# Allegro board SG2042_EVB_V2_0.brd (continued)
## Routing (per net, layer and track width the routed paths; a pad name or vN(x,y) marks a point on that pad's centre or on a via; arc(x,y) is an arc through that point) (continued)
SLOT5_PCIE_TX0_N: length 36.4
  TOP w0.114: C5871.1 v1(151,43.13) ; v1(148.39,69.57) 148.29,69.67 arc(148.22,69.76) 148.2,69.87 148.2,70.27 arc(148.23,70.4) 148.3,70.51 148.42,70.62 arc(148.54,70.81) 148.58,71.03 148.58,71.35 arc(148.62,71.52) 148.72,71.67 U3235.L26
  ART14 w0.124: v1(148.39,69.57) 148.29,69.47 arc(148.23,69.38) 148.21,69.28 148.21,62.05 arc(148.93,58.44) 150.98,55.37 152.71,53.64 arc(153.59,52.32) 153.89,50.78 153.89,50.46 arc(154.14,49.2) 154.86,48.14 154.94,48.05 arc(155.71,46.9) 155.98,45.55 155.98,44.17 arc(155.73,43.56) 155.12,43.31 151.3,43.31 arc(151.19,43.29) 151.1,43.23 v1(151,43.13)
SLOT5_PCIE_TX0_P: length 36.4
  TOP w0.114: U3235.M26 148.21,71.67 arc(148.31,71.52) 148.34,71.35 148.34,71.03 arc(148.32,70.9) 148.25,70.79 148.13,70.68 arc(148,70.49) 147.96,70.27 147.96,69.87 arc(147.94,69.76) 147.88,69.67 v1(147.78,69.57) ; C5870.1 v1(151,43.74)
  ART14 w0.124: v1(151,43.74) 151.1,43.64 arc(151.19,43.58) 151.3,43.56 153.53,43.56 arc(153.65,43.61) 153.71,43.74 arc(153.76,43.86) 153.88,43.91 154.06,43.91 arc(154.19,43.86) 154.24,43.74 arc(154.29,43.61) 154.42,43.56 155.12,43.56 arc(155.55,43.74) 155.73,44.17 155.73,45.55 arc(155.48,46.81) 154.76,47.87 154.68,47.96 arc(153.91,49.11) 153.64,50.46 153.64,50.78 arc(153.35,52.23) 152.53,53.46 150.8,55.19 arc(148.69,58.34) 147.96,62.05 147.96,69.28 arc(147.94,69.38) 147.88,69.47 v1(147.78,69.57)
SLOT5_PCIE_TX1_N: length 41.9
  TOP w0.114: C5875.1 v1(151,40.13) ; U3235.J25 v1(150.06,72.21)
  ART14 w0.124: v1(151,40.13) 151.1,40.23 arc(151.19,40.29) 151.3,40.31 155.14,40.31 arc(156.51,40.88) 157.08,42.25 157.08,46 arc(156.81,47.36) 156.04,48.51 155.96,48.59 arc(155.25,49.66) 155,50.92 155,51.23 arc(154.69,52.78) 153.81,54.09 152.52,55.39 arc(150.79,57.97) 150.19,61.01 150.19,68.1 arc(150.24,68.22) 150.36,68.27 arc(150.49,68.32) 150.54,68.45 150.54,68.63 arc(150.49,68.76) 150.36,68.81 arc(150.24,68.86) 150.19,68.98 150.19,69.5 arc(150.08,70.02) 149.79,70.46 149.71,70.54 arc(149.47,70.9) 149.39,71.32 149.39,72.32 arc(149.44,72.44) 149.55,72.49 149.61,72.49 arc(149.77,72.45) 149.92,72.36 v1(150.06,72.21)
SLOT5_PCIE_TX1_P: length 41.9
  TOP w0.114: U3235.K25 v1(150.06,73.01) ; C5874.1 v1(151,40.74)
  ART14 w0.124: v1(150.06,73.01) 149.92,72.87 arc(149.77,72.77) 149.61,72.74 149.55,72.74 arc(149.26,72.62) 149.14,72.32 149.14,71.32 arc(149.24,70.8) 149.54,70.36 149.61,70.28 arc(149.85,69.92) 149.94,69.5 149.94,61.01 arc(150.56,57.87) 152.34,55.21 153.63,53.92 arc(154.46,52.68) 154.74,51.23 154.74,50.92 arc(155.01,49.56) 155.78,48.41 155.87,48.33 arc(156.58,47.26) 156.83,46 156.83,42.25 arc(156.34,41.06) 155.14,40.56 154.42,40.56 arc(154.29,40.61) 154.24,40.74 arc(154.19,40.87) 154.06,40.92 153.88,40.92 arc(153.76,40.87) 153.71,40.74 arc(153.65,40.61) 153.53,40.56 151.3,40.56 arc(151.19,40.58) 151.1,40.64 v1(151,40.74)
SLOT5_PCIE_TX2_N: length 43
  TOP w0.114: v1(152.35,69.57) 152.25,69.67 arc(152.19,69.76) 152.16,69.87 152.16,70.27 arc(152.12,70.49) 152,70.68 151.88,70.79 arc(151.81,70.9) 151.78,71.03 151.78,71.35 arc(151.82,71.52) 151.92,71.67 U3235.G26 ; C5879.1 v1(151,37.13)
  ART14 w0.124: v1(152.35,69.57) 152.25,69.47 arc(152.19,69.38) 152.17,69.28 152.17,59.97 arc(152.66,57.5) 154.06,55.4 154.91,54.55 arc(155.79,53.24) 156.1,51.69 156.1,51.38 arc(156.35,50.12) 157.06,49.05 157.15,48.96 arc(157.91,47.82) 158.18,46.46 158.18,40.38 arc(157.29,38.21) 155.12,37.31 151.3,37.31 arc(151.19,37.29) 151.1,37.23 v1(151,37.13)
SLOT5_PCIE_TX2_P: length 43
  TOP w0.114: C5878.1 v1(151,37.74) ; U3235.H26 151.41,71.67 arc(151.51,71.52) 151.54,71.35 151.54,71.03 arc(151.59,70.81) 151.71,70.62 151.83,70.51 arc(151.9,70.4) 151.92,70.27 151.92,69.87 arc(151.9,69.76) 151.84,69.67 v1(151.74,69.57)
  ART14 w0.124: v1(151.74,69.57) 151.84,69.47 arc(151.9,69.38) 151.92,69.28 151.92,59.97 arc(152.43,57.4) 153.88,55.23 154.74,54.37 arc(155.56,53.14) 155.85,51.69 155.85,51.38 arc(156.12,50.02) 156.88,48.87 156.97,48.79 arc(157.68,47.72) 157.93,46.46 157.93,40.38 arc(157.11,38.39) 155.12,37.57 154.42,37.57 arc(154.29,37.62) 154.24,37.74 arc(154.19,37.87) 154.06,37.92 153.88,37.92 arc(153.76,37.87) 153.71,37.74 arc(153.65,37.62) 153.53,37.57 151.3,37.57 arc(151.19,37.59) 151.1,37.65 v1(151,37.74)
SLOT5_PCIE_TX3_N: length 48.9
  TOP w0.114: U3235.E25 v1(153.26,72.21) ; C5883.1 v1(151,34.14)
  ART14 w0.124: v1(151,34.14) 151.1,34.24 arc(151.19,34.3) 151.3,34.32 155.19,34.32 arc(158.09,35.52) 159.29,38.41 159.29,46.92 arc(159.02,48.27) 158.25,49.42 158.16,49.51 arc(157.45,50.57) 157.2,51.83 157.2,52.15 arc(156.89,53.7) 156.02,55.01 155.32,55.7 arc(154.04,57.62) 153.59,59.88 153.59,68.25 arc(153.65,68.37) 153.77,68.42 arc(153.89,68.48) 153.95,68.6 153.95,68.78 arc(153.89,68.91) 153.77,68.96 arc(153.65,69.01) 153.59,69.14 153.59,69.65 arc(153.48,70.23) 153.15,70.72 153,70.86 arc(152.7,71.33) 152.59,71.87 152.59,72.35 arc(152.63,72.45) 152.73,72.49 152.81,72.49 arc(152.97,72.45) 153.12,72.36 v1(153.26,72.21)
SLOT5_PCIE_TX3_P: length 48.9
  TOP w0.114: C5882.1 v1(151,34.75) ; U3235.F25 v1(153.26,73.01)
  ART14 w0.124: v1(151,34.75) 151.1,34.65 arc(151.19,34.59) 151.3,34.57 153.53,34.57 arc(153.65,34.62) 153.71,34.75 arc(153.76,34.87) 153.88,34.92 154.06,34.92 arc(154.19,34.87) 154.24,34.75 arc(154.29,34.62) 154.42,34.57 155.19,34.57 arc(157.91,35.69) 159.03,38.41 159.03,46.92 arc(158.78,48.18) 158.07,49.24 157.99,49.33 arc(157.22,50.48) 156.95,51.83 156.95,52.15 arc(156.66,53.6) 155.84,54.83 155.15,55.52 arc(153.81,57.52) 153.34,59.88 153.34,69.65 arc(153.25,70.13) 152.97,70.54 152.83,70.69 arc(152.46,71.23) 152.34,71.87 152.34,72.35 arc(152.45,72.63) 152.73,72.74 152.81,72.74 arc(152.97,72.77) 153.12,72.87 v1(153.26,73.01)
SLOT5_SCL: length 61.5
  TOP w0.102: v1(165.71,41.45) 164.85,40.59 R12573.1 ; R12708.2 v1(115.62,61.44)
  BOTTOM w0.102: R12708.2 v1(115.62,61.44) 115.62,60.87 124.49,51.99 153.7,51.99 163.86,41.83 165.33,41.83 v1(165.71,41.45)
SLOT5_SDA: length 60.5
  TOP w0.102: R12709.2 v1(114.76,61.44) ; R12572.1 v1(165.1,41.45)
  BOTTOM w0.102: v1(165.1,41.45) 164.92,41.63 163.77,41.63 153.61,51.79 124.41,51.79 v1(114.76,61.44) R12709.2
SLOT6_PCIE_CLK3_N: length 3.5
  TOP w0.081: U3273.B13 186.68,92.44 186.68,91.56 185.86,90.74 185.86,90.33 R12946.2
SLOT6_PCIE_CLK3_P: length 2.6
  TOP w0.081: R12945.2 186.1,90.33 186.1,90.64 186.92,91.46 186.92,91.87 U3273.A13
SLOT6_PCIE_RX8_N: length 10.1
  TOP w0.114: U3235.D17 154.06,79.41 ; 162.64,78.97 C6204.2
  ART12 w0.107: 162.64,78.97 162.53,78.87 arc(162.44,78.8) 162.33,78.78 158.56,78.78 arc(158.23,78.85) 157.96,79.03 157.87,79.12 arc(157.54,79.34) 157.16,79.41 156.82,79.41 156.76,79.48 156.7,79.54 156.39,79.54 156.32,79.48 156.26,79.41 155.95,79.41 155.89,79.48 155.82,79.54 155.51,79.54 155.45,79.48 155.39,79.41 154.06,79.41
SLOT6_PCIE_RX8_P: length 10.1
  TOP w0.114: 162.64,78.36 C6202.2 ; U3235.D18 154.06,78.61
  ART12 w0.107: 154.06,78.61 154.49,79.04 arc(154.64,79.14) 154.82,79.18 157.16,79.18 arc(157.45,79.12) 157.7,78.96 157.79,78.86 arc(158.14,78.63) 158.56,78.55 162.33,78.55 arc(162.44,78.52) 162.53,78.46 162.64,78.36
SLOT6_PCIE_RX9_N: length 9.5
  TOP w0.114: 162.64,82.14 C6205.2 ; U3235.C15 154.86,80.21
  ART12 w0.107: 162.64,82.14 162.53,82.04 arc(162.44,81.98) 162.33,81.96 158.77,81.96 arc(158.23,81.85) 157.77,81.54 157.71,81.47 arc(157.32,81.22) 156.87,81.13 156.01,81.13 arc(155.8,81.09) 155.61,80.96 154.86,80.21
SLOT6_PCIE_RX9_P: length 9.5
  TOP w0.114: 162.64,81.53 C6203.2 ; U3235.C16 155.66,80.21
  ART12 w0.107: 162.64,81.53 162.53,81.64 arc(162.44,81.7) 162.33,81.72 160.27,81.72 arc(160.1,81.65) 160.03,81.48 160.03,81.44 arc(159.79,81.2) 159.54,81.44 159.54,81.48 arc(159.47,81.65) 159.3,81.72 158.77,81.72 arc(158.32,81.63) 157.94,81.38 157.87,81.31 arc(157.41,81) 156.87,80.9 156.01,80.9 arc(155.89,80.87) 155.78,80.8 155.76,80.78 arc(155.69,80.67) 155.66,80.54 155.66,80.21
SLOT6_PCIE_TX8_N: length 39.2
  TOP w0.114: 189.08,88.06 188.96,88.18 arc(188.88,88.3) 188.85,88.43 188.85,88.59 arc(188.87,88.65) 188.9,88.7 188.97,88.77 arc(189.05,88.89) 189.08,89.04 189.08,89.37 arc(189.1,89.43) 189.13,89.48 C6253.2 ; U3235.B17 155.66,78.61
  ART05 w0.107: 189.08,88.06 188.98,87.96 arc(188.88,87.9) 188.77,87.87 188.74,87.87 arc(188.6,87.85) 188.48,87.77 187.68,86.97 arc(186.84,86.41) 185.84,86.21 182.53,86.21 arc(178.44,85.4) 174.98,83.09 174.98,83.08 arc(171.97,81.07) 168.42,80.37 162.29,80.37 arc(161.44,80.2) 160.71,79.71 160.64,79.64 arc(159.98,79.2) 159.21,79.04 158.18,79.04 arc(157.96,79.09) 157.77,79.21 157.69,79.29 arc(157.43,79.47) 157.12,79.53 156.08,79.53 arc(155.79,79.41) 155.66,79.11 155.66,78.61
SLOT6_PCIE_TX8_P: length 39.9
  TOP w0.114: C6252.2 188.75,89.5 arc(188.82,89.4) 188.84,89.28 188.84,89.04 arc(188.83,88.99) 188.8,88.94 188.73,88.87 arc(188.64,88.74) 188.61,88.59 188.61,88.09 arc(188.65,87.93) 188.74,87.79 189.08,87.45 ; U3235.B18 156.46,78.61
  ART05 w0.107: 189.08,87.45 188.95,87.57 arc(188.88,87.62) 188.8,87.64 188.74,87.64 arc(188.69,87.63) 188.64,87.6 187.85,86.81 arc(186.93,86.19) 185.84,85.98 182.53,85.98 arc(178.53,85.18) 175.15,82.92 175.14,82.92 arc(172.06,80.86) 168.42,80.13 162.29,80.13 arc(161.53,79.98) 160.88,79.54 160.8,79.47 arc(160.07,78.98) 159.21,78.81 158.18,78.81 arc(157.87,78.87) 157.61,79.05 157.53,79.13 arc(157.34,79.25) 157.12,79.3 156.08,79.3 arc(155.95,79.24) 155.9,79.11 155.9,79.03 arc(155.92,78.93) 155.97,78.85 156.12,78.7 arc(156.22,78.64) 156.34,78.61 156.46,78.61
SLOT6_PCIE_TX9_N: length 40.8
  TOP w0.114: U3235.A15 157.14,80.33 158.46,80.33 158.65,80.52 ; C6255.2 192.33,89.48 arc(192.3,89.43) 192.28,89.37 192.28,89.04 arc(192.25,88.89) 192.17,88.77 192.1,88.7 arc(192.07,88.65) 192.05,88.59 192.05,88.43 arc(192.08,88.3) 192.16,88.18 192.28,88.06
  ART05 w0.107: 158.65,80.52 158.75,80.42 arc(158.85,80.35) 158.96,80.33 159.09,80.33 arc(159.31,80.37) 159.49,80.49 162.19,83.2 arc(162.58,83.45) 163.03,83.55 173.15,83.55 arc(173.91,83.7) 174.55,84.12 174.55,84.13 arc(178.01,86.44) 182.09,87.25 185.84,87.25 arc(186.44,87.37) 186.95,87.71 187.85,88.62 arc(188.46,89.02) 189.17,89.16 189.19,89.16 arc(189.9,89.02) 190.51,88.62 190.96,88.16 arc(191.28,87.95) 191.65,87.87 191.97,87.87 arc(192.08,87.9) 192.18,87.96 192.28,88.06
SLOT6_PCIE_TX9_P: length 41.5
  TOP w0.114: U3235.A16 157.14,80.09 158.46,80.09 158.65,79.91 ; C6254.2 191.95,89.5 arc(192.02,89.4) 192.04,89.28 192.04,89.04 arc(192.03,88.99) 192,88.94 191.93,88.87 arc(191.84,88.74) 191.81,88.59 191.81,88.09 arc(191.84,87.93) 191.94,87.79 192.28,87.45
  ART05 w0.107: 158.65,79.91 158.75,80.01 arc(158.85,80.07) 158.96,80.1 159.09,80.1 arc(159.4,80.16) 159.65,80.33 162.36,83.03 arc(162.67,83.24) 163.03,83.31 173.15,83.31 arc(174,83.48) 174.71,83.96 174.72,83.96 arc(178.1,86.22) 182.09,87.02 185.84,87.02 arc(186.53,87.15) 187.11,87.55 188.02,88.45 arc(188.55,88.8) 189.17,88.93 189.19,88.93 arc(189.81,88.8) 190.34,88.45 190.79,88 arc(191.19,87.73) 191.65,87.64 191.97,87.64 arc(192.08,87.62) 192.18,87.55 192.28,87.45
SLOT6_SCL: length 1.2
  TOP w0.102: R12710.2 v1(119.23,64.19)
  BOTTOM w0.102: R12710.2 v1(119.23,64.19)
SLOT6_SDA: length 1.2
  TOP w0.102: R12711.2 v1(119.23,63.32)
  BOTTOM w0.102: R12711.2 v1(119.23,63.32)
SLOT7_3V3: length 9
  TOP w0.254: 54.69,46.79 C5792.1 ; C5792.1 54.25,47.22 ; C5792.1 54.69,47.65
  TOP w0.381: J2036.B8 52.6,34.55 C5807.1 C5794.1 v1(52.6,32.74)
  TOP w0.686: J2036.A10 54.6,46.41 ; J2036.A9 53.6,46.41
  vias: v1(53.37,46.86) v1(53.92,46.86)
SLOT7_12V: length 10.8
  TOP w0.254: 47.7,46.79 C5791.1 ; C5791.1 47.7,47.65 ; C5791.1 47.27,47.22 ; 47.27,34.54 C5790.1 ; C5790.1 47.7,34.11 ; C5790.1 47.7,34.98
  TOP w0.686: J2036.B1 45.6,35.47 ; J2036.B3 47.6,35.47 ; J2036.A2 46.6,46.41 ; J2036.B2 46.6,35.47 ; J2036.A3 47.6,46.41
  vias: v1(45.97,34.54) v1(46.53,46.61) v1(46.53,34.54) v1(47.09,46.61) v1(47.09,34.54) v1(47.65,46.61)
SLOT7_PCIE_CLK4_N: length 3.6
  TOP w0.081: J2036.A14 60.6,46.11 60.22,46.49 60.22,46.88 R12885.2 60.54,47.23 R12939.2
SLOT7_PCIE_CLK4_P: length 3.6
  TOP w0.081: J2036.A13 59.6,46.11 59.98,46.49 59.98,46.9 R12886.2 59.68,47.23 R12937.2
SLOT7_PCIE_RX10_N: length 95.4
  TOP w0.114: 142.06,73.01 141.66,73.41 U3235.Y24
  TOP w0.381: 63.41,46.3 63.6,46.1 J2036.A17
  ART03 w0.124: 142.06,73.01 141.87,73.21 arc(141.78,73.27) 141.68,73.29 141.63,73.29 arc(141.54,73.27) 141.47,73.22 141.45,73.2 arc(141.41,73.13) 141.39,73.05 141.39,71.59 arc(141.29,71.1) 141.01,70.68 140.99,70.66 140.92,70.59 arc(140.49,69.94) 140.34,69.18 140.34,67.13 arc(139.81,64.48) 138.31,62.24 136.23,60.15 arc(132.25,57.5) 127.57,56.57 101.83,56.57 arc(95.82,55.37) 90.73,51.97 90.65,51.89 arc(85.48,48.43) 79.38,47.22 65.58,47.22 arc(65.46,47.17) 65.41,47.05 arc(65.36,46.93) 65.24,46.88 65.04,46.88 arc(64.92,46.93) 64.87,47.05 arc(64.82,47.17) 64.7,47.22 63.53,47.22 arc(63.31,47.13) 63.23,46.92 63.23,46.59 arc(63.25,46.48) 63.31,46.39 63.41,46.3
SLOT7_PCIE_RX10_P: length 95.4
  TOP w0.114: U3235.W24 142.06,73.81
  TOP w0.381: 62.8,46.3 62.6,46.1 J2036.A16
  ART03 w0.124: 62.8,46.3 62.89,46.39 arc(62.95,46.48) 62.97,46.59 62.97,46.92 arc(63.14,47.31) 63.53,47.47 79.38,47.47 arc(85.38,48.66) 90.47,52.06 90.55,52.14 arc(95.72,55.6) 101.83,56.82 127.57,56.82 arc(132.16,57.73) 136.05,60.33 138.13,62.41 arc(139.58,64.58) 140.08,67.13 140.08,69.18 arc(140.25,70.04) 140.74,70.77 140.76,70.79 arc(141.04,71.2) 141.14,71.7 141.14,73.05 arc(141.17,73.23) 141.27,73.38 141.3,73.4 arc(141.45,73.5) 141.63,73.54 141.64,73.54 arc(141.78,73.57) 141.89,73.64 142.06,73.81
SLOT7_PCIE_TX10_N: length 101.1
  TOP w0.114: 141.48,69.44 141.67,69.63 141.67,70.53 141.94,70.81 141.94,71.53 U3235.Y26
  TOP w0.254: C5801.2 61.41,33.78
  ART03 w0.124: 61.41,33.78 61.31,33.68 arc(61.25,33.59) 61.23,33.48 61.23,33.39 arc(61.25,33.27) 61.31,33.18 61.33,33.16 arc(61.43,33.09) 61.54,33.07 62.78,33.07 arc(62.97,33.15) 63.05,33.34 63.05,33.43 arc(63.32,33.7) 63.59,33.43 63.59,33.34 arc(63.67,33.15) 63.85,33.07 68.21,33.07 arc(74.47,34.31) 79.77,37.86 89.45,47.55 arc(97.53,52.94) 107.06,54.84 127.44,54.84 arc(132.87,55.92) 137.48,59 139.55,61.07 arc(141.11,63.4) 141.66,66.16 141.66,69.15 arc(141.64,69.26) 141.58,69.35 141.48,69.44
SLOT7_PCIE_TX10_P: length 101.1
  TOP w0.114: U3235.W26 142.18,71.53 142.18,70.71 141.91,70.43 141.91,69.63 142.09,69.44
  TOP w0.254: C5800.2 60.8,33.78
  ART03 w0.124: 60.8,33.78 60.89,33.68 arc(60.95,33.59) 60.97,33.48 60.97,33.38 arc(61.02,33.18) 61.13,33 61.15,32.98 arc(61.33,32.86) 61.54,32.82 68.21,32.82 arc(74.56,34.08) 79.94,37.68 89.63,47.37 arc(97.63,52.71) 107.06,54.58 127.44,54.58 arc(132.97,55.68) 137.66,58.82 139.73,60.89 arc(141.35,63.31) 141.91,66.16 141.91,69.15 arc(141.94,69.26) 142,69.35 142.09,69.44
SLOT7_SCL: length 92
  TOP w0.102: J2036.B5 v1(49.6,35.58) ; R12712.2 v1(119.23,65.91)
  ART03 w0.102: v1(49.6,35.58) 50.4,36.38 50.4,45.45 56.43,51.49 84.27,51.49 92.5,59.72 115.97,59.72 118.34,62.09 118.34,65.02 v1(119.23,65.91)
  BOTTOM w0.102: R12712.2 v1(119.23,65.91)
SLOT7_SDA: length 90.7
  TOP w0.102: J2036.B6 v1(50.6,35.58) ; R12713.2 v1(119.23,65.05)
  ART03 w0.102: v1(119.23,65.05) 118.54,64.36 118.54,62 116.05,59.51 92.58,59.51 84.35,51.28 84.18,51.28 56.52,51.28 50.6,45.37 v1(50.6,35.58)
  BOTTOM w0.102: R12713.2 v1(119.23,65.05)
SLOT8_PCIE_CLK5_N: length 5.6
  TOP w0.081: U3259.5 216.56,163.86 216.48,163.94 215.26,163.94 213.84,165.35 213.54,165.35 R12910.2 212.34,165.02 R13026.2
SLOT8_PCIE_CLK5_P: length 5.6
  TOP w0.081: R13025.2 212.34,165.91 R12911.2 213.54,165.59 213.94,165.59 215.35,164.17 216.48,164.17 216.56,164.26 U3259.4
SLOT8_PCIE_RX11_N: length 117.6
  TOP w0.114: U3235.D13 154.06,82.61 ; 198.91,162.86 199.09,163.05 213.86,163.05 C6079.2
  ART03 w0.124: 154.06,82.61 154.13,82.68 arc(154.19,82.72) 154.27,82.74 157.12,82.74 arc(157.22,82.75) 157.31,82.79 arc(157.31,82.79) 157.32,82.79 arc(157.35,82.82) 157.39,82.85 157.46,82.92 157.48,82.94 arc(157.71,83.1) 157.98,83.15 158.85,83.15 arc(159.52,83.29) 160.1,83.67 160.71,84.28 arc(160.79,84.47) 160.71,84.66 160.57,84.81 arc(160.57,85.18) 160.95,85.18 161.09,85.04 arc(161.28,84.96) 161.47,85.04 167.93,91.5 arc(170.57,95.46) 171.5,100.12 171.5,119.97 arc(173.4,129.49) 178.79,137.57 178.8,137.57 197.02,155.92 arc(198.07,157.49) 198.44,159.35 198.44,160.59 arc(198.58,161.33) 199,161.96 199.48,162.43 arc(199.55,162.53) 199.57,162.65 199.57,162.75 arc(199.55,162.85) 199.49,162.94 199.47,162.96 arc(199.38,163.02) 199.28,163.04 199.2,163.04 arc(199.1,163.02) 199.01,162.96 198.91,162.86
SLOT8_PCIE_RX11_P: length 117.6
  TOP w0.114: C6077.2 213.86,163.29 199.09,163.29 198.91,163.47 ; U3235.D14 154.06,81.81
  ART03 w0.124: 154.06,81.81 154.55,82.31 arc(154.76,82.44) 154.99,82.49 157.12,82.49 arc(157.28,82.51) 157.43,82.57 arc(157.43,82.57) 157.44,82.57 arc(157.5,82.62) 157.56,82.67 157.66,82.77 arc(157.81,82.86) 157.98,82.9 158.85,82.9 arc(159.62,83.05) 160.28,83.49 168.11,91.32 arc(170.8,95.36) 171.75,100.12 171.75,119.97 arc(173.63,129.4) 178.97,137.39 178.97,137.39 197.27,155.81 arc(198.32,157.39) 198.69,159.25 198.69,160.59 arc(198.82,161.23) 199.18,161.78 199.67,162.27 arc(199.78,162.43) 199.82,162.63 199.82,162.75 arc(199.78,162.95) 199.67,163.12 199.65,163.14 arc(199.48,163.26) 199.28,163.3 199.2,163.3 arc(199.1,163.32) 199.01,163.38 198.91,163.47
SLOT8_PCIE_TX11_N: length 114.5
  TOP w0.114: 201.07,161.35 201.25,161.53 213.85,161.53 C6257.2 ; U3235.B13 155.66,81.81
  ART03 w0.124: 155.66,81.81 155.87,81.6 arc(155.92,81.53) 155.94,81.45 155.94,81.44 arc(155.97,81.27) 156.06,81.13 156.13,81.06 arc(156.33,80.93) 156.56,80.89 157.2,80.89 arc(157.32,80.9) 157.43,80.93 arc(157.43,80.93) 157.44,80.93 arc(157.51,80.97) 157.58,81.02 arc(157.61,81.04) 157.64,81.07 157.85,81.28 arc(157.97,81.36) 158.11,81.39 159.78,81.39 arc(160.19,81.47) 160.54,81.7 169.62,90.78 arc(172.32,94.82) 173.27,99.58 173.27,119.34 arc(175.14,128.77) 180.48,136.76 198.53,154.8 arc(199.65,156.4) 200.17,158.27 200.2,158.3 200.2,161.05 arc(200.24,161.22) 200.34,161.37 200.39,161.43 arc(200.5,161.5) 200.64,161.53 200.77,161.53 arc(200.88,161.51) 200.97,161.45 201.07,161.35
SLOT8_PCIE_TX11_P: length 114.5
  TOP w0.114: C6256.2 213.86,161.78 201.25,161.78 201.07,161.96 ; U3235.B14 156.46,81.81
  ART03 w0.124: 201.07,161.96 200.97,161.86 arc(200.88,161.8) 200.77,161.78 200.64,161.78 arc(200.41,161.73) 200.21,161.6 200.16,161.55 arc(200.01,161.32) 199.95,161.05 199.95,158.85 arc(199.53,156.76) 198.35,154.98 180.31,136.94 arc(174.91,128.86) 173.01,119.34 173.01,99.58 arc(172.09,94.91) 169.44,90.96 160.36,81.88 arc(160.1,81.7) 159.78,81.64 159.32,81.64 arc(159.2,81.69) 159.15,81.81 arc(159.1,81.94) 158.97,81.99 158.79,81.99 arc(158.66,81.94) 158.61,81.81 arc(158.56,81.69) 158.43,81.64 158.11,81.64 arc(157.87,81.59) 157.67,81.45 157.47,81.25 arc(157.45,81.23) 157.44,81.22 arc(157.43,81.22) 157.43,81.22 arc(157.32,81.16) 157.2,81.14 156.56,81.14 arc(156.42,81.17) 156.31,81.24 156.24,81.31 arc(156.2,81.37) 156.19,81.44 156.19,81.46 arc(156.2,81.53) 156.24,81.59 156.46,81.81
SLOT8_SCL: length 1.2
  TOP w0.102: R12714.2 v1(119.23,67.64)
  BOTTOM w0.102: R12714.2 v1(119.23,67.64)
SLOT8_SDA: length 1.2
  TOP w0.102: R12715.2 v1(119.23,66.78)
  BOTTOM w0.102: R12715.2 v1(119.23,66.78)
SM768_DM_USB0: length 8.3
  TOP w0.099: R13005.2 191.35,112.79 191.35,120.1 T105.1
SM768_DM_USB1: length 7.4
  TOP w0.099: T107.1 189.75,121.09 189.75,114.74 R13007.2
SM768_DM_USB2: length 8.3
  TOP w0.099: T102.1 188.15,120.1 188.15,112.79 R13009.2
SM768_DM_USB3: length 7.4
  TOP w0.099: T109.1 186.55,121.09 186.55,114.74 R13011.2
SM768_DP_USB0: length 8.3
  TOP w0.099: T104.1 191.58,120.1 191.58,112.79 R13004.2
SM768_DP_USB1: length 7.4
  TOP w0.099: T106.1 189.98,121.09 189.98,114.74 R13006.2
SM768_DP_USB2: length 8.3
  TOP w0.099: T108.1 188.38,120.1 188.38,112.79 R13008.2
SM768_DP_USB3: length 7.4
  TOP w0.099: T103.1 186.78,121.09 186.78,114.74 R13010.2
SM768_USB_24M: length 3.5
  TOP w0.102: R13000.2 R13001.2 ; R13001.2 R12999.2 ; R13001.2 R13002.2 R13003.2
SMCL: length 1.9
  TOP w0.102: R12504.1 156.86,93.62 U3235.A1
SMDA: length 1.8
  TOP w0.102: U3235.B1 156.06,93.62 R12503.1
SPEED_FAN0: length 244.3
  TOP w0.102: U1.F16 v1(103.75,244.05) ; Q2036.3 R12928.1 v1(42.27,136.86)
  ART03 w0.102: v1(42.27,136.86) 48.06,142.65 48.06,149.51 47.17,150.4 47.17,175.28 46.33,176.12 46.33,180.59 47.5,181.76 47.5,187.2 46.18,188.52 46.18,193.07 46.76,193.65 46.76,201.92 45.16,203.52 45.16,205.88 38.61,212.44 38.61,223.89 36.09,226.41 36.09,258.44 v1(35.89,258.65)
  BOTTOM w0.102: v1(35.89,258.65) 41.86,264.62 41.86,271.27 46.75,276.16 46.75,284.83 49.19,287.27 67.39,287.27 104.37,250.29 104.37,244.67 v1(103.75,244.05)
SPEED_FAN1: length 289.2
  TOP w0.102: v1(222.91,289.99) R12737.1 Q2030.3 ; U1.H20 v1(107.75,242.05)
  ART05 w0.102: v1(44.3,287.1) 44.3,301.13 46.34,303.17 209.73,303.17 v1(222.91,289.99)
  BOTTOM w0.102: v1(107.75,242.05) 107.13,242.67 107.13,250.24 68.88,288.49 45.69,288.49 v1(44.3,287.1)
SPEED_FAN2: length 564
  TOP w0.102: v1(16.54,18.14) 16.66,18.01 18.34,18.01 18.75,17.6 145.47,17.6 149.73,21.87 204.52,21.87 207.59,18.8 R12740.1 Q2032.3 ; U1.A16 104.25,254.9 71.11,288.04 52.23,288.04 50.35,289.92 46.29,289.92 42.85,286.48 42.85,274.95 v1(38.61,270.71)
  ART03 w0.102: v1(16.54,18.14) 16.33,18.34 16.33,146.52 13.61,149.23 13.61,156.25 14.87,157.51 17.74,157.51 20.78,160.54 20.78,187.15 25.35,191.72 25.35,200.13 24.77,200.71 24.77,208.86 25.32,209.42 25.32,218.31 24.82,218.82 24.82,227.93 30.1,233.21 30.1,256.46 38.23,264.59 38.23,270.33 v1(38.61,270.71)
SPEED_FAN3: length 541.7
  TOP w0.102: v1(17.96,17.25) 18.21,16.99 145.72,16.99 149.99,21.26 183.34,21.26 185.8,18.8 R12743.1 Q2034.3 ; U1.J18 v1(105.75,241.05)
  ART03 w0.102: v1(17.96,17.25) 17.75,17.45 17.75,18.66 17.35,19.06 17.35,146.94 14.63,149.66 14.63,155.83 15.29,156.49 18.16,156.49 21.79,160.12 21.79,186.72 26.52,191.45 26.52,191.62 26.52,228.19 31.12,232.79 31.12,233.13 31.11,253.87 v1(35.08,257.84)
  BOTTOM w0.102: v1(105.75,241.05) 105.13,241.67 105.13,250.24 67.89,287.48 49.11,287.48 46.55,284.92 46.55,276.24 41.66,271.35 41.66,265 35.08,258.42 v1(35.08,257.84)
SPEED_H_FAN0: length 5.8
  TOP w0.102: J2038.3 43,145.83 R12929.1 R12930.2
SPEED_H_FAN1: length 5.8
  TOP w0.102: J2039.3 223.65,298.96 R12738.1 R12739.2
SPEED_H_FAN2: length 5.8
  TOP w0.102: J2040.3 207.47,9.22 R12741.1 R12742.2
SPEED_H_FAN3: length 5.8
  TOP w0.102: J2041.3 185.67,9.22 R12744.1 R12745.2
SPI0_CS0_X: length 2.5
  TOP w0.102: J13.5 R215.2
SPI0_CS1_X: length 2.5
  TOP w0.102: J13.7 R217.2
SPI0_SCK: length 2.5
  TOP w0.102: J13.9 R219.2
SPI0_SDI: length 2.5
  TOP w0.102: J13.11 R220.2
SPI0_SDO: length 2.5
  TOP w0.102: J13.13 R222.2
SPI1_CS0_X: length 2.5
  TOP w0.102: J13.15 R207.2
SPI1_CS1_X: length 2.5
  TOP w0.102: J13.17 R209.2
SPI1_SCK: length 2.5
  TOP w0.102: J13.19 R210.2
SPI1_SDI: length 2.5
  TOP w0.102: J13.21 R211.2
SPI1_SDO: length 2.5
  TOP w0.102: J13.23 R212.2
SPI_CLK_10048: length 1.6
  TOP w0.102: U3237.38 224.55,76.21 R12561.2
SPI_CS: length 11.5
  TOP w0.102: R12495.1 133.83,64.08 138.46,68.71 138.46,71.81 U3235.AD26
SPI_CS_10048: length 10.5
  TOP w0.102: U3237.40 223.55,77.02 224.54,78 225.58,78 225.78,78.21 225.78,82.3 225.63,82.45 U3238.1
SPI_DI_10048: length 9.3
  TOP w0.102: U3237.41 223.05,77.46 221.87,78.64 221.87,79.93 222.33,80.39 222.58,80.39 222.94,80.75 R12557.2 U3238.2
SPI_DO_10048: length 10.3
  TOP w0.102: U3237.39 224.05,76.58 R12558.1 224.56,77.52 224.74,77.7 229.01,77.7 229.95,78.64 U3238.5
SPI_HOLD#: length 2.4
  TOP w0.102: R12519.1 R12509.2 142.72,60.53 142.32,60.93 U3236.7
SPI_SCK: length 14.9
  TOP w0.102: R12499.2 R12527.1 R12512.1 144.53,64.57 140.06,69.04 U3235.AB26
SPI_SDIO: length 14.6
  TOP w0.102: R12502.1 132.94,64.32 137.66,69.04 U3235.AE26 ; R12502.1 R12521.1 ; R12502.1 R12497.1
SPI_WP#: length 1.4
  TOP w0.102: U3236.3 R12514.2
SPICSB: length 9.4
  TOP w0.102: U3241.17 22.53,148.59 22.38,148.44 22.38,148.03 21.95,147.6 21.72,147.6 20.57,146.46 20.09,146.46 19.76,146.13 19.76,144.22 20.22,143.76 R12580.2 U3242.1
SPICSB_22472213: length 9.3
  TOP w0.102: U3260.1 R12809.2 214.1,154.23 213.77,154.56 213.77,156.59 214.1,156.92 214.58,156.92 215.72,158.06 215.96,158.06 216.38,158.49 216.38,158.9 216.54,159.06 U3259.17
SPIF0_CLK_SEL0: length 18.5
  TOP w0.102: J7.4 188.32,245.59 198.88,245.59 199.24,245.24 199.24,242.37 199.49,242.11 R25.2 R20.1 R1220.2
SPIF0_CLK_SEL1: length 17.3
  TOP w0.102: R1221.2 R19.1 R26.2 199.49,245.85 199.24,246.1 199.24,247.85 198.96,248.13 188.32,248.13 J7.6
SPIF0_CS_X: length 13.6
  TOP w0.102: R1223.2 188.16,253.37 J7.8
SPIF0_HOLD_X: length 13.6
  TOP w0.102: J7.18 188.16,266.06 R1222.2
SPIF0_SCK: length 13.6
  TOP w0.102: J7.10 188.16,255.91 R1224.2
SPIF0_SDI: length 13.6
  TOP w0.102: R1225.2 188.16,258.44 J7.12
SPIF0_SDO: length 13.6
  TOP w0.102: R1226.2 188.16,260.99 J7.14
SPIF0_WP_X: length 13.6
  TOP w0.102: R1227.2 188.16,263.52 J7.16
SPIF1_CLK_SEL0: length 13.1